# Altium PCB VOU_SOM_CV_V0.0.1.PcbDoc (part 3 of 5) (continued)
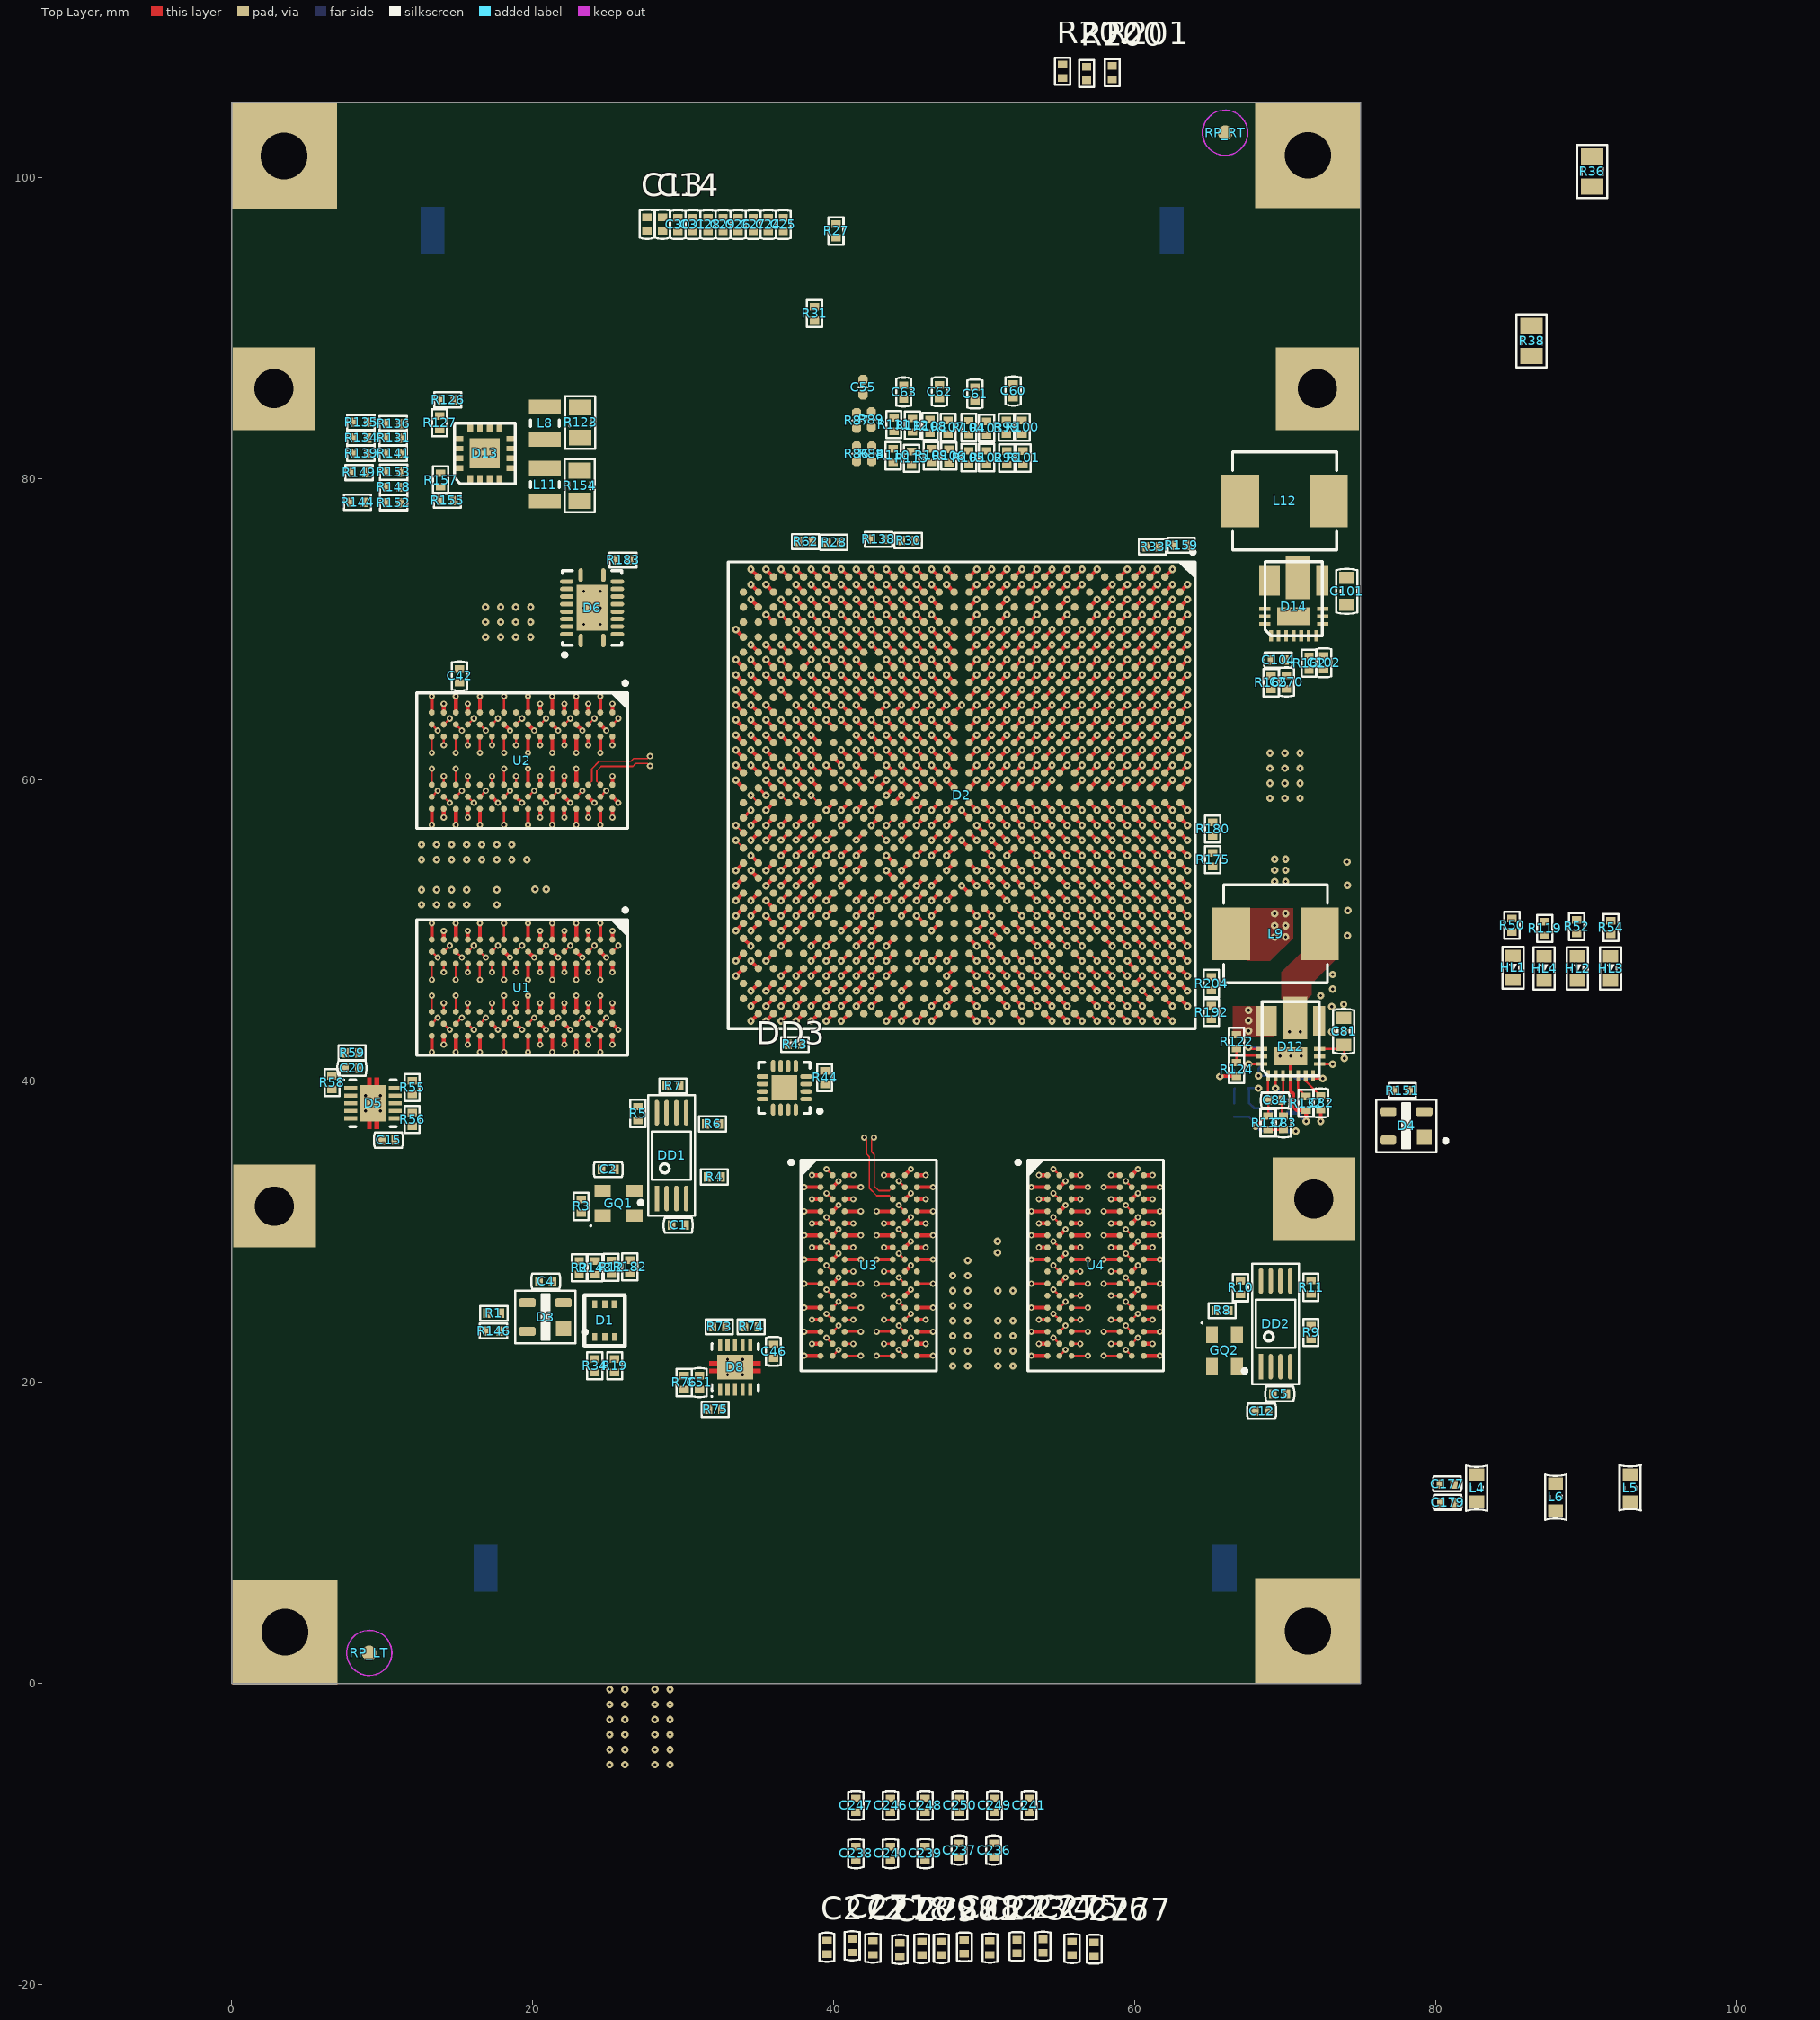
[diagram p0: Top Layer view]
## Nets (pads, with @x,y where several pads share a name; then routed paths per layer and width w, separated by ;. In a path a pad name is that pad's centre, name@x,y a point inside that pad or via, vN(x,y) a via of type N, cw(c..) or ccw(c..) an arc to the next point about the centre after c; other vN are vias at no path point) (continued)
  INT5 w0.11: v2(23.7,47.25) 24.175,47.725 28.95,47.725 30.75,49.525 33.775,49.525 34.025,49.775
FPGA_DDR_D26: D2.AE23 U1.C8 | length 19.6
  Top Layer w0.25: U1.C8@23.7,43.825 v2(24.1,43.425) ; v1(38.5,51) D2.AE23@39,51.5
  INT5 w0.11: v2(24.1,43.425) 24.5,43.825 29.65,43.825 32.275,46.45 35.3,46.45 38.5,49.65 v1(38.5,51)
FPGA_DDR_D27: D2.AF23 U1.C2 | length 15.4
  Top Layer w0.15: U1.C2@23.7,48.625 v2(24.1,49.025)
  Top Layer w0.25: v1(37.5,51) D2.AF23@38,51.5
  INT5 w0.11: v2(24.1,49.025) 24.525,48.6 29.1,48.6 31.025,50.525 37.1,50.525 37.225,50.65
FPGA_DDR_D28: D2.AG25 U1.A7 | length 14
  Top Layer w0.25: U1.A7@25.3,44.625 v2(25.3,45.2) ; v1(36.5,49) D2.AG25@37,49.5
  INT5 w0.11: v2(25.3,45.2) 25.85,45.75 30.1,45.75 31.85,47.5 35.75,47.5 36.5,48.25 36.5,48.55
FPGA_DDR_D29: D2.AE22 U1.A2 | length 14.9
  Top Layer w0.15: U1.A2@25.3,48.625 v2(25.7,49.025)
  Top Layer w0.25: v1(38.5,52) D2.AE22@39,52.5
  INT5 w0.11: v2(25.7,49.025) 28.775,49.025 31.275,51.525 38.05,51.525 38.2,51.675
FPGA_DDR_D30: D2.AK27 U1.B8 | length 10.6
  Top Layer w0.15: U1.B8@24.5,43.825 v2(24.9,44.225)
  Top Layer w0.25: v1(33.5,47) D2.AK27@34,47.5
  INT5 w0.11: v2(24.9,44.225) 29.025,44.225 31.8,47 33.05,47
FPGA_DDR_D31: D2.AF24 U1.A3 | length 14.6
  Top Layer w0.25: v2(25.3,47.25) U1.A3@25.3,47.825 ; v1(37.5,50) D2.AF24@38,50.5
  INT5 w0.11: v2(25.3,47.25) 29.35,47.25 31.175,49.075 33.9,49.075 34.35,49.525 37.025,49.525 v1(37.5,50)
FPGA_DDR_DM0: D2.AH17 U2.E7 | length 16.5
  Top Layer w0.25: U2.E7@22.1,59.7 v2(22.1,60.275) ; v1(35.5,57) D2.AH17@36,57.5
  INT3 w0.11: v2(22.1,60.275) 24.625,60.275 25.225,59.675 26.95,59.675 30.15,56.475 34.975,56.475 v1(35.5,57)
FPGA_DDR_DM1: D2.AG23 U2.D3 | length 22.8
  Top Layer w0.25: v2(22.9,61.825) U2.D3@22.9,62.9 ; v1(36.5,51) D2.AG23@37,51.5
  INT2 w0.11: v2(22.9,61.825) 23.725,61 23.725,58.775 23.125,58.175 23.125,57.475 29.05,51.55 35.95,51.55 v1(36.5,51)
FPGA_DDR_DM2: D2.AK23 U1.E7 | length 15.5
  Top Layer w0.25: U1.E7@22.1,44.625 v2(22.1,45.2) ; v1(33.5,51) D2.AK23@34,51.5
  INT4 w0.11: v2(22.1,45.2) 22.55,44.75 25.9,44.75 32.15,51 v1(33.5,51)
FPGA_DDR_DM3: D2.AJ27 U1.D3 | length 14.7
  Top Layer w0.25: v2(22.9,46.75) U1.D3@22.9,47.825 ; v1(34.5,48) D2.AJ27@35,47.5
  INT5 w0.11: v2(22.9,46.75) 23.825,46.75 24.275,47.2 24.675,47.2 25.2,46.675 29.5,46.675 31.325,48.5 34,48.5 v1(34.5,48)
FPGA_DDR_DQS0_N: D2.W16 U2.G3 | length 32
  Top Layer w0.25: v2(20.5,62.325) U2.G3@20.5,62.9 ; D2.W16@45,58.5 v1(45.5,59)
  INT3 w0.08: v2(20.5,62.325) 20.825,62.325 21.025,62.525 21.025,63.025 20.3,63.75 20.3,64.336 20.659,64.695 28.455,64.695 32.555,60.595 39.066,60.595 41.066,58.595 45.095,58.595 v1(45.5,59)
FPGA_DDR_DQS0_P: D2.V16 U2.F3 | length 32.3
  Top Layer w0.25: v2(21.3,61.825) U2.F3@21.3,62.9 ; v1(45.5,58) D2.V16@46,58.5
  INT3 w0.08: v2(21.3,61.825) 21.225,61.9 21.225,63.136 20.52,63.841 20.52,64.245 20.75,64.475 28.364,64.475 32.464,60.375 38.975,60.375 40.975,58.375 45.125,58.375 v1(45.5,58)
FPGA_DDR_DQS1_N: D2.W17 U2.B7 | length 25
  Top Layer w0.1: U2.B7@24.5,59.7 24.265,59.935 24.265,60.625 24.565,60.925 26.665,60.925 26.85,61.11 27.64,61.11 v2(27.8,60.95)
  Top Layer w0.25: v1(44.5,57) D2.W17@45,57.5
  INT2 w0.08: v2(27.8,60.95) 28.015,61.165 30.349,61.165 33.164,58.35 44.214,58.35 44.89,57.674 44.89,57.39 v1(44.5,57)
FPGA_DDR_DQS1_P: D2.V17 U2.C7 | length 25.9
  Top Layer w0.1: U2.C7@23.7,59.7 23.935,59.935 23.935,60.762 24.428,61.255 26.528,61.255 26.713,61.44 27.64,61.44 v2(27.8,61.6)
  Top Layer w0.25: v1(45.5,57) D2.V17@46,57.5
  INT2 w0.08: v2(27.8,61.6) 28.015,61.385 30.44,61.385 33.255,58.57 44.305,58.57 45.11,57.765 45.11,57.39 v1(45.5,57)
FPGA_DDR_DQS2_N: D2.AA18 U1.G3 | length 34.5
  Top Layer w0.1: D2.AA18@43,56.5 v1(43.5,56)
  Top Layer w0.25: v2(20.5,47.25) U1.G3@20.5,47.825
  INT4 w0.08: v2(20.5,47.25) 20.775,47.25 20.875,47.35 20.875,48.336 21.409,48.87 22.005,48.87 22.33,48.545 22.67,48.545 23.75,49.625 25.489,49.625 28.425,52.561 28.425,53.975 32.05,57.6 44.816,57.6 45.12,57.296 45.12,56.659 44.851,56.39 43.89,56.39 v1(43.5,56)
FPGA_DDR_DQS2_P: D2.Y17 U1.F3 | length 34.2
  Top Layer w0.1: v1(43.5,57) D2.Y17@44,57.5
  Top Layer w0.25: v2(21.3,46.75) U1.F3@21.3,47.825
  INT4 w0.08: v2(21.3,46.75) 21.1,46.95 21.1,48.25 21.5,48.65 21.914,48.65 22.239,48.325 22.761,48.325 23.841,49.405 25.58,49.405 28.645,52.47 28.645,53.884 32.141,57.38 44.725,57.38 44.9,57.205 44.9,56.75 44.76,56.61 43.89,56.61 v1(43.5,57)
FPGA_DDR_DQS3_N: D2.AD19 U1.B7 | length 34.6
  Top Layer w0.25: U1.B7@24.5,44.625 v2(24.5,45.7) ; v1(39.5,55) D2.AD19@40,55.5
  INT5 w0.08: v2(24.5,45.7) 24.25,45.45 24.25,45.3 24.37,45.18 24.37,44.37 23.345,43.345 23.345,42.316 24.511,41.15 28.3,41.15 32.745,45.595 39.684,45.595 39.925,45.836 39.925,50.75 40.175,51 40.175,52.139 39.358,52.956 39.358,54.013 39.75,54.406 39.75,54.75 v1(39.5,55)
FPGA_DDR_DQS3_P: D2.AC20 U1.C7 | length 34.4
  Top Layer w0.25: U1.C7@23.7,44.625 v2(23.7,45.2) ; v1(40.5,54) D2.AC20@41,54.5
  INT5 w0.08: v2(23.7,45.2) 23.975,45.2 24.15,45.025 24.15,44.461 23.125,43.436 23.125,42.225 24.42,40.93 28.391,40.93 32.836,45.375 39.775,45.375 40.145,45.745 40.145,50.659 40.395,50.909 40.395,52.23 39.578,53.047 39.578,53.922 39.906,54.25 40.25,54.25 v1(40.5,54)
FPGA_DDR_ODT: D2.AE16 R42.1 U1.K1 U2.K1 | length 43.7
  Top Layer w0.12: v1(38.5,59) D2.AE16@39,58.5
  Top Layer w0.15: U1.K1@18.1,49.425 v2(18.1,50.5) ; U2.K1@18.1,64.5 v2(18.1,65.575)
  INT2 w0.11: v2(18.1,50.5) 18.45,50.5 19.15,51.2 19.15,55.2 v1(18.625,55.725) 18.625,58.475 19,58.85 19,59.5 18.5,60 18.5,62.125 18.1,62.525 v2(18.1,65.575)
  INT5 w0.11: v1(18.625,55.725) 18.65,55.7 27.4,55.7 33.225,61.525 37.775,61.525 38.05,61.25 38.05,59.45 v1(38.5,59)
FPGA_DDR_RAS#: D2.AH8 R42.3 U1.J3 U2.J3 | length 47.9
  Top Layer w0.15: v2(18.9,47.25) U1.J3@18.9,47.825 ; v2(18.9,62.325) U2.J3@18.9,62.9
  Top Layer w0.25: v1(35.5,67) D2.AH8@36,66.5
  INT2 w0.11: v2(18.9,47.25) 18.9,50.6 19.625,51.325 v1(19.625,54.725) 19.625,55.725 19.175,56.175 19.175,57.625 19.775,58.225 19.775,58.725 19.375,59.125 19.375,60.425 18.9,60.9 v2(18.9,62.325)
  INT4 w0.11: v1(19.625,54.725) 19.625,55.425 18.925,56.125 18.925,59.55 18.5,59.975 18.5,62.025 17.975,62.55 17.975,63.325 19.025,64.375 19.025,65.575 19.625,66.175 30.025,66.175 30.675,65.525 33.7,65.525 34,65.825 34,66.275 34.225,66.5 35,66.5 v1(35.5,67)
FPGA_DDR_RST#: D2.AK21 R49.2 U1.T2 U2.T2 | length 18.4
  Top Layer w0.15: U1.T2@13.3,48.625 v2(13.7,48.225) ; U2.T2@13.3,63.7 v2(13.7,63.3)
  Top Layer w0.25: v1(33.5,53) D2.AK21@34,53.5
  INT3 w0.15: v2(13.7,48.225) 11.875,50.05 11.875,54.975 v1(12.625,55.725) 12.625,59.4 13.7,60.475 v2(13.7,63.3)
FPGA_DDR_WE#: D2.AJ6 R42.5 U1.L3 U2.L3 | length 49.5
  Top Layer w0.15: v2(17.3,47.25) U1.L3@17.3,47.825 ; v2(17.3,62.325) U2.L3@17.3,62.9
  Top Layer w0.25: v1(34.5,69) D2.AJ6@35,68.5
  INT2 w0.11: v2(17.3,47.25) 17.3,49.125 16.9,49.525 16.9,52.675 17.625,53.4 v1(17.625,54.725) 17.625,54.875 17.15,55.35 17.15,56.2 17.325,56.375 17.325,59.6 16.875,60.05 16.875,60.65 17.3,61.075 v2(17.3,62.325)
  INT4 w0.11: v1(17.625,54.725) 17.075,55.275 17.075,58.225 16.1,59.2 16.1,63.25 16.925,64.075 16.925,65.9 18.55,67.525 33.775,67.525 34,67.75 34,68.5 v1(34.5,69)
GND: C1.2 C2.1 C3.1 C4.1 C5.2 C6.1 C6.2 C6.3 C6.4 C7.1 C7.2 C7.3 C7.4 C8.1 C8.2 C8.3 C8.4 C9.1 C10.1 C11.1 C12.1 C15.2 C16.2 C17.2 C18.2 C19.2 C20.2 C34.1 C35.1 C42.1 C43.1 C43.2 C43.3 C43.4 C44.1 C44.2 C44.3 C44.4 C45.1 C45.2 C45.3 C45.4 C46.2 C47.2 C48.2 C49.2 C50.2 C51.2 C52.1 C53.1 C54.1 C55.1 C56.1 C57.1 C60.1 C61.1 C62.1 C63.1 C64.1 C68.2 C69.2 C70.1 C72.2 C73.2 C75.2 C76.2 C77.2 C78.2 C79.2 C80.2 C81.1 C87.2 C88.2 C89.2 C90.2 C91.2 C92.2 C94.2 C95.2 C96.2 C97.2 C98.2 C99.2 C100.2 C101.1 C103.1 C105.1 C106.1 C107.1 C108.1 C109.1 C110.1 C111.1 C112.2 C113.1 C114.1 C115.1 C116.1 C117.1 C118.1 C119.1 C120.1 C121.1 C122.1 C123.1 C124.1 C125.1 C126.1 C127.1 C128.1 C129.1 C130.1 C131.1 C132.1 C133.1 C134.1 C135.1 C136.1 C137.2 C138.1 C139.1 C140.1 C141.1 C142.1 C143.1 C144.1 C145.1 C146.1 C147.1 C148.1 C149.1 C150.1 C151.1 C152.1 C153.1 C154.2 C155.1 C156.1 C157.1 C158.1 C159.1 C160.1 C161.1 C162.2 C163.2 C164.1 C165.1 C166.1 C167.2 C168.2 C169.2 C170.2 C171.2 C172.2 C173.2 C174.2 C175.2 C176.1 C177.1 C178.1 C179.1 C180.2 C181.2 C182.2 C183.2 C184.2 C185.2 C186.2 C187.2 C188.2 C189.2 C190.2 C191.2 C192.2 C193.2 C194.1 C195.1 C196.1 C197.1 C198.1 C199.1 C200.1 C201.1 C202.2 C203.2 C204.2 C205.2 C206.1 C207.1 C208.1 C209.1 C210.1 C211.1 C212.1 C213.1 C214.1 C215.1 C216.1 C217.1 C218.1 C219.1 C220.1 C221.1 C222.1 C223.1 C224.1 C225.1 C226.1 C227.2 C228.2 C229.1 C230.1 C231.1 C232.1 C233.1 C234.1 C235.1 C236.1 C237.1 C238.1 C239.1 C240.1 C241.1 C242.1 C243.1 C244.1 C245.1 C246.2 C247.2 C248.1 C249.1 C250.1 C251.1 C252.1 C253.1 C254.1 C255.1 C256.1 C257.1 C258.1 C259.1 C260.1 C261.1 C262.1 C263.1 C264.1 C265.1 C266.1 C268.2 C271.1 C272.1 C273.2 C274.2 C275.2 C276.2 C277.2 C278.2 C279.2 C280.2 C281.2 C282.2 D1.2 D2.A2 D2.A12 D2.A17 D2.A22 D2.A26 D2.A27 D2.AA3 D2.AA4 D2.AA6 D2.AA9 D2.AA11 D2.AA22 D2.AA29 D2.AB1 D2.AB2 D2.AB5 D2.AB7 D2.AB19 D2.AB29 D2.AC3 D2.AC4 D2.AC6 D2.AC8 D2.AC16 D2.AC24 D2.AC26 D2.AD1 D2.AD2 D2.AD5 D2.AD6 D2.AD23 D2.AE3 D2.AE4 D2.AE10 D2.AE20 D2.AF1 D2.AF2 D2.AF3 D2.AF12 D2.AF15 D2.AF17 D2.AF27 D2.AG9 D2.AG14 D2.AG24 D2.AH1 D2.AH6 D2.AH11 D2.AH21 D2.AH28 D2.AJ3 D2.AJ7 D2.AJ10 D2.AJ18 D2.AJ22 D2.AJ28 D2.AJ30 D2.AK5 D2.AK15 D2.AK25 D2.B9 D2.B10 D2.B14 D2.B19 D2.B24 D2.B29 D2.C1 D2.C6 D2.C16 D2.C21 D2.C26 D2.D3 D2.D13 D2.D23 D2.D26 D2.E10 D2.E22 D2.E25 D2.E30 D2.F2 D2.F5 D2.F7 D2.F17 D2.F27 D2.G3 D2.G4 D2.G5 D2.G24 D2.H1 D2.H2 D2.H5 D2.H11 D2.J3 D2.J4 D2.J6 D2.J8 D2.J18 D2.J22 D2.J28 D2.K1 D2.K2 D2.K5 D2.K10 D2.K15 D2.K20 D2.K25 D2.L3 D2.L4 D2.L6 D2.L11 D2.L13 D2.L15 D2.L17 D2.L19 D2.L22 D2.M1 D2.M2 D2.M5 D2.M7 D2.M8 D2.M10 D2.M12 D2.M14 D2.M16 D2.M18 D2.M20 D2.M29 D2.N3 D2.N4 D2.N6 D2.N8 D2.N9 D2.N11 D2.N13 D2.N15 D2.N17 D2.N19 D2.N26 D2.P1 D2.P2 D2.P5 D2.P7 D2.P10 D2.P12 D2.P14 D2.P16 D2.P18 D2.P20 D2.R3 D2.R4 D2.R6 D2.R8 D2.R9 D2.R11 D2.R13 D2.R15 D2.R17 D2.R30 D2.T1 D2.T2 D2.T5 D2.T7 D2.T10 D2.T12 D2.T14 D2.T15 D2.T16 D2.T18 D2.T20 D2.T27 D2.U3 D2.U4 D2.U6 D2.U9 D2.U11 D2.U13 D2.U15 D2.U17 D2.U22 D2.U24 D2.U29 D2.V1 D2.V2 D2.V5 D2.V7 D2.V10 D2.V12 D2.V14 D2.V19 D2.V21 D2.W3 D2.W4 D2.W6 D2.W9 D2.W11 D2.W13 D2.W18 D2.W28 D2.Y1 D2.Y2 D2.Y5 D2.Y7 D2.Y8 D2.Y10 D2.Y12 D2.Y14 D2.Y15 D2.Y20 D2.Y25 D2.Y27 D2.Y30 D3.1 D4.1 D5.4 D5.8 D5.11 D6.11 D7.4 D8.4 D8.8 D8.11 D9.4 D12.11 D13.4 D13.8 D13.14 D13.17 D14.11 DD1.4 DD2.4 DD3.1 DD3.4 DD3.7 DD3.17 GQ1.2 GQ2.2 R28.1 R30.1 R32.1 R33.1 R47.2 R48.2 R57.2 R59.1 R62.1 R68.2 R69.1 R70.2 R72.1 R76.1 R124.1 R127.1 R138.1 R150.1 R157.1 R159.2 R168.1 R180.2 R190.1 R195.1 R196.1 R197.1 R198.1 R199.1 U1.A9 U1.B1 U1.B3 U1.B9 U1.D1 U1.D8 U1.E1 U1.E2 U1.E8 U1.F9 U1.G1 U1.G8 U1.G9 U1.J2 U1.J8 U1.M1 U1.M9 U1.P1 U1.P9 U1.T1 U1.T9 U2.A9 U2.B1 U2.B3 U2.B9 U2.D1 U2.D8 U2.E1 U2.E2 U2.E8 U2.F9 U2.G1 U2.G8 U2.G9 U2.J2 U2.J8 U2.M1 U2.M9 U2.P1 U2.P9 U2.T1 U2.T9 U3.A9 U3.B1 U3.B3 U3.B9 U3.D1 U3.D8 U3.E1 U3.E2 U3.E8 U3.F9 U3.G1 U3.G8 U3.G9 U3.J2 U3.J8 U3.M1 U3.M9 U3.P1 U3.P9 U3.T1 U3.T9 U4.A9 U4.B1 U4.B3 U4.B9 U4.D1 U4.D8 U4.E1 U4.E2 U4.E8 U4.F9 U4.G1 U4.G8 U4.G9 U4.J2 U4.J8 U4.M1 U4.M9 U4.P1 U4.P9 U4.T1 U4.T9 X1.8 X1.9 X1.12 X1.13 X1.16 X1.17 X1.20 X1.21 X1.24 X1.25 X1.28 X1.29 X1.32 X1.33 X1.36 X1.37 X1.40 X1.41 X1.44 X1.45 X1.48 X1.49 X1.75 X1.76 X1.85 X1.86 X1.95 X1.96 X1.97 X1.101 X1.105 X1.109 X1.113 X1.120 X1.121 X1.146 X1.151 X2.1 X2.4 X2.5 X2.8 X2.9 X2.12 X2.13 X2.16 X2.17 X2.20 X2.21 X2.24 X2.25 X2.28 X2.29 X2.32 X2.33 X2.36 X2.37 X2.40 X2.41 X2.44 X2.86 X2.87 X2.90 X2.91 X2.94 X2.95 X2.98 X2.99 X2.102 X2.103 X2.106 X2.107 X2.110 X2.111 X2.114 X2.115 X2.118 X2.119 X2.122 X2.123 X2.126 X2.127 X2.130 X2.131 X2.134 X2.135 X2.138 X2.139 X2.142 X2.143 X2.146 X2.147 X2.150 X2.151 X2.154 X2.155 X2.158 X2.159 X2.162 X2.163 X2.166 X2.167 | length 221.6
  Top Layer w0.15: U1.J2@18.9,48.625 v2(19.3,49.025) ; U2.J2@18.9,63.7 v2(19.3,64.1) ; U1.E2@22.1,48.625 v2(22.5,49.025) ; U2.E2@22.1,63.7 v2(22.5,64.1) ; U1.D8@22.9,43.825 v2(23.3,44.225) ; U2.D8@22.9,58.9 v2(23.3,59.3) ; v2(39.525,27.775) U3.J2@39.925,27.375 ; v2(39.525,30.975) U3.E2@39.925,30.575 ; v2(44.325,31.775) U3.D8@44.725,31.375 ; v2(54.6,27.775) U4.J2@55,27.375 ; v2(54.6,30.975) U4.E2@55,30.575 ; v2(59.4,31.775) U4.D8@59.8,31.375
  Top Layer w0.25: v2(13.3,41.95) U1.T9@13.3,43.025 ; U1.T1@13.3,49.425 v2(13.3,50.5) ; v2(13.3,57.025) U2.T9@13.3,58.1 ; U2.T1@13.3,64.5 v2(13.3,65.575) ; v2(14.9,41.95) U1.P9@14.9,43.025 ; U1.P1@14.9,49.425 v2(14.9,50.5) ; v2(14.9,57.025) U2.P9@14.9,58.1 ; U2.P1@14.9,64.5 v2(14.9,65.575) ; v2(16.5,41.95) U1.M9@16.5,43.025 ; U1.M1@16.5,49.425 v2(16.5,50.5) ; v2(16.5,57.025) U2.M9@16.5,58.1 ; U2.M1@16.5,64.5 v2(16.5,65.575) ; U1.J8@18.9,43.825 v2(19.3,43.425) ; U2.J8@18.9,58.9 v2(19.3,58.5) ; v2(20.5,42.45) U1.G9@20.5,43.025 ; U1.G8@20.5,43.825 v2(20.9,43.425) ; U1.G1@20.5,49.425 v2(20.5,50) ; v2(20.5,57.525) U2.G9@20.5,58.1 ; U2.G8@20.5,58.9 v2(20.9,58.5) ; U2.G1@20.5,64.5 v2(20.5,65.075) ; v2(21.3,41.95) U1.F9@21.3,43.025 ; v2(21.3,57.025) U2.F9@21.3,58.1 ; U1.E8@22.1,43.825 v2(22.5,43.425) ; U1.E1@22.1,49.425 v2(22.1,50) ; U2.E8@22.1,58.9 v2(22.5,58.5) ; U2.E1@22.1,64.5 v2(22.1,65.075) ; U1.D1@22.9,49.425 v2(22.9,50.5) ; U2.D1@22.9,64.5 v2(22.9,65.575) ; v2(24.5,41.95) U1.B9@24.5,43.025 ; v2(24.5,46.75) U1.B3@24.5,47.825 ; U1.B1@24.5,49.425 v2(24.5,50.5) ; v2(24.5,57.025) U2.B9@24.5,58.1 ; v2(24.5,61.825) U2.B3@24.5,62.9 ; U2.B1@24.5,64.5 v2(24.5,65.575) ; v2(25.3,42.45) U1.A9@25.3,43.025 ; v2(25.3,57.525) U2.A9@25.3,58.1 ; v1(33.5,60) D2.AK15@34,59.5 ; v1(33.5,70) D2.AK5@34,69.5 ; D2.AK25@34,49.5 v1(34.5,49) ; v1(34.5,44) D2.AJ30@35,44.5 ; v1(34.5,46) D2.AJ28@35,46.5 ; v1(34.5,52) D2.AJ22@35,52.5 ; v1(34.5,56) D2.AJ18@35,56.5 ; v1(34.5,65) D2.AJ10@35,64.5 ; v1(34.5,68) D2.AJ7@35,67.5 ; v1(34.5,72) D2.AJ3@35,71.5 ; v1(35.5,46) D2.AH28@36,46.5 ; v1(35.5,53) D2.AH21@36,53.5 ; v1(35.5,64) D2.AH11@36,63.5 ; v1(35.5,69) D2.AH6@36,68.5 ; v1(35.5,74) D2.AH1@36,73.5 ; v1(36.5,50) D2.AG24@37,50.5 ; v1(36.5,61) D2.AG14@37,60.5 ; v1(36.5,66) D2.AG9@37,65.5 ; v1(37.5,47) D2.AF27@38,47.5 ; v1(37.5,57) D2.AF17@38,57.5 ; v1(37.5,60) D2.AF15@38,59.5 ; v1(37.5,63) D2.AF12@38,62.5 ; v1(37.5,72) D2.AF3@38,71.5 ; v1(37.5,73) D2.AF2@38,72.5 ; v1(37.5,74) D2.AF1@38,73.5 ; v2(38.05,21.775) U3.T1@39.125,21.775 ; v2(38.05,23.375) U3.P1@39.125,23.375 ; v2(38.05,24.975) U3.M1@39.125,24.975 ; v2(38.05,31.375) U3.D1@39.125,31.375 ; v2(38.05,32.975) U3.B1@39.125,32.975 ; v1(38.5,54) D2.AE20@39,54.5 ; v1(38.5,65) D2.AE10@39,64.5 ; v1(38.5,71) D2.AE4@39,70.5 ; v1(38.5,72) D2.AE3@39,71.5 ; v2(38.55,28.975) U3.G1@39.125,28.975 ; v2(38.55,30.575) U3.E1@39.125,30.575 ; v1(39.5,51) D2.AD23@40,51.5 ; v1(39.5,69) D2.AD6@40,68.5 ; v1(39.5,70) D2.AD5@40,69.5 ; v1(39.5,73) D2.AD2@40,72.5 ; v1(39.5,74) D2.AD1@40,73.5 ; v1(40.5,48) D2.AC26@41,48.5 ; v1(40.5,50) D2.AC24@41,50.5 ; v1(40.5,58) D2.AC16@41,58.5 ; v1(40.5,67) D2.AC8@41,66.5 ; v1(40.5,69) D2.AC6@41,68.5 ; v1(40.5,71) D2.AC4@41,70.5 ; v1(40.5,72) D2.AC3@41,71.5 ; U3.B3@40.725,32.975 v2(41.8,32.975) ; v1(41.5,45) D2.AB29@42,45.5 ; v1(41.5,55) D2.AB19@42,55.5 ; v1(41.5,68) D2.AB7@42,67.5 ; v1(41.5,70) D2.AB5@42,69.5 ; v1(41.5,73) D2.AB2@42,72.5 ; v1(41.5,74) D2.AB1@42,73.5 ; v1(42.5,45) D2.AA29@43,45.5 ; v1(42.5,52) D2.AA22@43,52.5 ; v1(42.5,64) D2.AA11@43,63.5 ; v1(42.5,66) D2.AA9@43,65.5 ; v1(42.5,69) D2.AA6@43,68.5 ; v1(42.5,71) D2.AA4@43,70.5 ; v1(42.5,72) D2.AA3@43,71.5 ; v1(43.5,44) D2.Y30@44,44.5 ; v1(43.5,47) D2.Y27@44,47.5 ; v1(43.5,49) D2.Y25@44,49.5 ; v1(43.5,55) D2.Y20@44,54.5 ; v1(43.5,59) D2.Y15@44,59.5 ; v1(43.5,61) D2.Y14@44,60.5 ; v1(43.5,63) D2.Y12@44,62.5 ; v1(43.5,67) D2.Y8@44,66.5 ; v1(43.5,68) D2.Y7@44,67.5 ; v1(43.5,70) D2.Y5@44,69.5 ; v1(43.5,73) D2.Y2@44,72.5 ; v1(43.5,74) D2.Y1@44,73.5 ; D2.Y10@44,64.5 v1(44.5,65) ; v1(44.5,46) D2.W28@45,46.5 ; v1(44.5,56) D2.W18@45,56.5 ; v1(44.5,62) D2.W13@45,61.5 ; v1(44.5,64) D2.W11@45,63.5 ; v1(44.5,66) D2.W9@45,65.5 ; v1(44.5,69) D2.W6@45,68.5 ; v1(44.5,71) D2.W4@45,70.5 ; v1(44.5,72) D2.W3@45,71.5 ; U3.J8@44.725,27.375 v2(45.125,27.775) ; U3.G8@44.725,28.975 v2(45.125,29.375) ; U3.E8@44.725,30.575 v2(45.125,30.975) ; v1(45.5,53) D2.V21@46,53.5 ; v1(45.5,55) D2.V19@46,55.5 ; v1(45.5,61) D2.V14@46,60.5 ; v1(45.5,63) D2.V12@46,62.5 ; v1(45.5,68) D2.V7@46,67.5 ; v1(45.5,70) D2.V5@46,69.5 ; v1(45.5,73) D2.V2@46,72.5 ; v1(45.5,74) D2.V1@46,73.5 ; U3.T9@45.525,21.775 v2(46.6,21.775) ; U3.P9@45.525,23.375 v2(46.6,23.375) ; U3.M9@45.525,24.975 v2(46.6,24.975) ; U3.G9@45.525,28.975 v2(46.1,28.975) ; U3.F9@45.525,29.775 v2(46.6,29.775) ; U3.B9@45.525,32.975 v2(46.6,32.975) ; U3.A9@45.525,33.775 v2(46.1,33.775) ; D2.V10@46,64.5 v1(46.5,65) ; v1(46.5,45) D2.U29@47,45.5 ; v1(46.5,50) D2.U24@47,50.5 ; v1(46.5,52) D2.U22@47,52.5 ; v1(46.5,57) D2.U17@47,57.5 ; v1(46.5,60) D2.U15@47,59.5 ; v1(46.5,62) D2.U13@47,61.5 ; v1(46.5,64) D2.U11@47,63.5 ; v1(46.5,66) D2.U9@47,65.5 ; v1(46.5,69) D2.U6@47,68.5 ; v1(46.5,71) D2.U4@47,70.5 ; v1(46.5,72) D2.U3@47,71.5 ; v1(47.5,47) D2.T27@48,47.5 ; v1(47.5,54) D2.T20@48,54.5 ; v1(47.5,56) D2.T18@48,56.5 ; v1(47.5,58) D2.T16@48,58.5 ; v1(47.5,60) D2.T15@48,59.5 ; v1(47.5,61) D2.T14@48,60.5 ; v1(47.5,63) D2.T12@48,62.5 ; v1(47.5,68) D2.T7@48,67.5 ; v1(47.5,70) D2.T5@48,69.5 ; v1(47.5,73) D2.T2@48,72.5 ; v1(47.5,74) D2.T1@48,73.5 ; D2.T10@48,64.5 v1(48.5,65) ; v1(48.5,58) D2.R17@49,57.5 ; D2.R30@49,44.5 v1(49.5,44) ; D2.R15@49,59.5 v1(49.5,60) ; D2.R13@49,61.5 v1(49.5,62) ; D2.R11@49,63.5 v1(49.5,64) ; D2.R9@49,65.5 v1(49.5,66) ; D2.R8@49,66.5 v1(49.5,67) ; D2.R6@49,68.5 v1(49.5,69) ; D2.R4@49,70.5 v1(49.5,71) ; D2.R3@49,71.5 v1(49.5,72) ; v1(49.5,57) D2.P18@50,56.5 ; D2.P20@50,54.5 v1(50.5,54) ; D2.P16@50,58.5 v1(50.5,58) ; D2.P14@50,60.5 v1(50.5,61) ; D2.P12@50,62.5 v1(50.5,63) ; D2.P10@50,64.5 v1(50.5,65) ; D2.P7@50,67.5 v1(50.5,68) ; D2.P5@50,69.5 v1(50.5,70) ; D2.P2@50,72.5 v1(50.5,73) ; D2.P1@50,73.5 v1(50.5,74) ; v1(50.5,56) D2.N19@51,55.5 ; D2.N26@51,48.5 v1(51.5,48) ; D2.N17@51,57.5 v1(51.5,57) ; D2.N15@51,59.5 v1(51.5,60) ; D2.N13@51,61.5 v1(51.5,62) ; D2.N11@51,63.5 v1(51.5,64) ; D2.N9@51,65.5 v1(51.5,66) ; D2.N8@51,66.5 v1(51.5,67) ; D2.N6@51,68.5 v1(51.5,69) ; D2.N4@51,70.5 v1(51.5,71) ; D2.N3@51,71.5 v1(51.5,72) ; D2.M29@52,45.5 v1(52.5,45) ; D2.M20@52,54.5 v1(52.5,54) ; D2.M18@52,56.5 v1(52.5,56) ; D2.M16@52,58.5 v1(52.5,58) ; D2.M14@52,60.5 v1(52.5,61) ; D2.M12@52,62.5 v1(52.5,63) ; D2.M10@52,64.5 v1(52.5,65) ; D2.M8@52,66.5 v1(52.5,67) ; D2.M7@52,67.5 v1(52.5,68) ; D2.M5@52,69.5 v1(52.5,70) ; D2.M2@52,72.5 v1(52.5,73) ; D2.M1@52,73.5 v1(52.5,74) ; D2.L22@53,52.5 v1(53.5,52) ; D2.L19@53,55.5 v1(53.5,55) ; D2.L17@53,57.5 v1(53.5,57) ; D2.L15@53,59.5 v1(53.5,60) ; D2.L13@53,61.5 v1(53.5,62) ; D2.L11@53,63.5 v1(53.5,64) ; D2.L6@53,68.5 v1(53.5,69) ; D2.L4@53,70.5 v1(53.5,71) ; D2.L3@53,71.5 v1(53.5,72) ; v2(53.125,21.775) U4.T1@54.2,21.775 ; v2(53.125,23.375) U4.P1@54.2,23.375 ; v2(53.125,24.975) U4.M1@54.2,24.975 ; v2(53.125,31.375) U4.D1@54.2,31.375 ; v2(53.125,32.975) U4.B1@54.2,32.975 ; v2(53.625,28.975) U4.G1@54.2,28.975 ; v2(53.625,30.575) U4.E1@54.2,30.575 ; D2.K25@54,49.5 v1(54.5,49) ; D2.K20@54,54.5 v1(54.5,54) ; D2.K15@54,59.5 v1(54.5,60) ; D2.K10@54,64.5 v1(54.5,65) ; D2.K5@54,69.5 v1(54.5,70) ; D2.K2@54,72.5 v1(54.5,73) ; D2.K1@54,73.5 v1(54.5,74) ; D2.J28@55,46.5 v1(55.5,46) ; D2.J22@55,52.5 v1(55.5,52) ; D2.J18@55,56.5 v1(55.5,56) ; D2.J8@55,66.5 v1(55.5,67) ; D2.J6@55,68.5 v1(55.5,69) ; D2.J4@55,70.5 v1(55.5,71) ; D2.J3@55,71.5 v1(55.5,72) ; U4.B3@55.8,32.975 v2(56.875,32.975) ; D2.H11@56,63.5 v1(56.5,64) ; D2.H5@56,69.5 v1(56.5,70) ; D2.H2@56,72.5 v1(56.5,73) ; D2.H1@56,73.5 v1(56.5,74) ; D2.G24@57,50.5 v1(57.5,50) ; D2.G5@57,69.5 v1(57.5,70) ; D2.G4@57,70.5 v1(57.5,71) ; D2.G3@57,71.5 v1(57.5,72) ; D2.F27@58,47.5 v1(58.5,47) ; D2.F17@58,57.5 v1(58.5,57) ; D2.F7@58,67.5 v1(58.5,68) ; D2.F5@58,69.5 v1(58.5,70) ; D2.F2@58,72.5 v1(58.5,73) ; D2.E30@59,44.5 v1(59.5,44) ; D2.E25@59,49.5 v1(59.5,49) ; D2.E22@59,52.5 v1(59.5,52) ; D2.E10@59,64.5 v1(59.5,65) ; U4.J8@59.8,27.375 v2(60.2,27.775) ; U4.G8@59.8,28.975 v2(60.2,29.375) ; U4.E8@59.8,30.575 v2(60.2,30.975) ; D2.D26@60,48.5 v1(60.5,48) ; D2.D23@60,51.5 v1(60.5,51) ; D2.D13@60,61.5 v1(60.5,62) ; D2.D3@60,71.5 v1(60.5,72) ; U4.T9@60.6,21.775 v2(61.675,21.775) ; U4.P9@60.6,23.375 v2(61.675,23.375) ; U4.M9@60.6,24.975 v2(61.675,24.975) ; U4.G9@60.6,28.975 v2(61.175,28.975) ; U4.F9@60.6,29.775 v2(61.675,29.775) ; U4.B9@60.6,32.975 v2(61.675,32.975) ; U4.A9@60.6,33.775 v2(61.175,33.775) ; D2.C26@61,48.5 v1(61.5,48) ; D2.C21@61,53.5 v1(61.5,53) ; D2.C16@61,58.5 v1(61.5,58) ; D2.C6@61,68.5 v1(61.5,69) ; D2.C1@61,73.5 v1(61.5,74) ; D2.B29@62,45.5 v1(62.5,45) ; D2.B24@62,50.5 v1(62.5,50) ; D2.B19@62,55.5 v1(62.5,55) ; D2.B14@62,60.5 v1(62.5,61) ; D2.B10@62,64.5 v1(62.5,65) ; D2.B9@62,65.5 v1(62.5,66) ; D2.A27@63,47.5 v1(63.5,47) ; D2.A26@63,48.5 v1(63.5,48) ; D2.A22@63,52.5 v1(63.5,52) ; D2.A17@63,57.5 v1(63.5,57) ; D2.A12@63,62.5 v1(63.5,63) ; D2.A2@63,72.5 v1(63.5,73) ; v1@65.775,40.325 v1(65.65,40.325) 65.675,40.35 R124.1@66.75,40.35
  Bottom Layer w0.25: v1(65.65,40.325) 66.15,40.325 C69.2@66.55,40.725
  other v1: 32.95,20.525 33.95,20.525 32.95,21.525 33.95,21.525 8.9,38.05 9.9,38.05 8.9,39.05 9.9,39.05 73.075,43.3 73.9,43.375 73.075,44.975 73.875,45.125 72.35,45.7 73.15,46.125 73.15,47.1 74.125,49.675 74.15,51.35 74.125,53.025 74.1,54.575
GND_A: C82.1 D12.4 D12.17 R132.2 R140.1 R142.1 R150.2 | length 8.1
  Top Layer w0.25: v1(70.35,41.675) D12.4@70.35,40.375 70.35,39.35 70.525,39.175 70.525,38.325 70.75,38.1 R132.2@71.375,38.1 v1(71.375,37.35) ; v1(72.35,37.35) C82.1@72.35,38.125
  Bottom Layer w0.25: R140.1@69.95,36.7 v1(70.7,36.7) ; R142.1@70.15,37.925 70.8,37.925 v1(71.375,37.35)
  other v1: 69.65,41.675 71.05,41.675
GND_B: C102.1 D14.4 D14.17 R162.2 R166.1 R167.1 R168.2
GXB_REF_C_CKO_N: C14.1 D2.W7 | length 0.7
  Top Layer w0.25: v1(44.5,68) D2.W7@45,67.5
GXB_REF_C_CKO_P: C13.1 D2.W8 | length 0.7
  Top Layer w0.25: v1(44.5,67) D2.W8@45,66.5
GXB_REF_CKI_N: D2.T8 X2.120 | length 39.7
  Top Layer w0.25: v1(47.5,67) D2.T8@48,66.5
  INT1 w0.08: 28.75,91.775 28.75,82.975 37.075,74.65 37.075,66.925 37.39,66.61 47.11,66.61 v1(47.5,67)
GXB_REF_CKI_P: D2.T9 X2.124 | length 40.1
  Top Layer w0.25: v1(47.5,66) D2.T9@48,65.5
  INT1 w0.08: 28.53,91.775 28.53,82.884 36.855,74.559 36.855,66.834 37.299,66.39 47.11,66.39 v1(47.5,66)
GXB_REF_CKO_N: C14.2 X2.121
GXB_REF_CKO_P: C13.2 X2.125
GXB_RXA0_N: D2.L1 X2.88 | length 26.6
  Top Layer w0.25: D2.L1@53,73.5 v1(53.5,74)
  INT2 w0.08: 36.75,91.4 36.75,90.27 38.775,88.245 39.871,88.245 53.1,75.016 53.1,73.735 53.225,73.61 53.41,73.61 53.5,73.7 v1(53.5,74)
GXB_RXA0_P: D2.L2 X2.92 | length 26.9
  Top Layer w0.25: D2.L2@53,72.5 v1(53.5,73)
  INT2 w0.08: 36.53,91.4 36.53,90.179 38.684,88.025 39.78,88.025 52.88,74.925 52.88,73.644 53.134,73.39 53.385,73.39 53.5,73.275 v1(53.5,73)
GXB_RXA1_N: D2.N1 X2.96 | length 26.8
  Top Layer w0.25: D2.N1@51,73.5 v1(51.5,74)
  INT2 w0.08: 34.675,91.375 34.675,90.445 38,87.12 39.396,87.12 51.1,75.416 51.1,73.735 51.225,73.61 51.41,73.61 51.5,73.7 v1(51.5,74)
GXB_RXA1_P: D2.N2 X2.100 | length 27.1
  Top Layer w0.25: D2.N2@51,72.5 v1(51.5,73)
  INT2 w0.08: 34.455,91.375 34.455,90.354 37.909,86.9 39.305,86.9 50.88,75.325 50.88,73.644 51.134,73.39 51.385,73.39 51.5,73.275 v1(51.5,73)
GXB_RXA2_N: D2.R1 X2.104 | length 27
  Top Layer w0.25: D2.R1@49,73.5 v1(49.5,74)
  INT2 w0.08: 32.75,91.35 32.75,89.845 36.775,85.82 38.746,85.82 49.1,75.466 49.1,73.735 49.225,73.61 49.41,73.61 49.5,73.7 v1(49.5,74)
GXB_RXA2_P: D2.R2 X2.108 | length 27.4
  Top Layer w0.25: D2.R2@49,72.5 v1(49.5,73)
  INT2 w0.08: 32.53,91.35 32.53,89.754 36.684,85.6 38.655,85.6 48.88,75.375 48.88,73.644 49.134,73.39 49.385,73.39 49.5,73.275 v1(49.5,73)
GXB_RXA3_N: D2.U1 X2.112 | length 27.1
  Top Layer w0.25: v1(46.5,74) D2.U1@47,73.5
  INT2 w0.08: 30.825,91.7 30.825,88.645 35.125,84.345 37.43,84.345 46.1,75.675 46.1,73.735 46.225,73.61 46.41,73.61 46.5,73.7 v1(46.5,74)
GXB_RXA3_P: D2.U2 X2.116 | length 27.5
  Top Layer w0.25: v1(46.5,73) D2.U2@47,72.5
  INT2 w0.08: 30.605,91.7 30.605,88.554 35.034,84.125 37.339,84.125 45.88,75.584 45.88,73.644 46.134,73.39 46.385,73.39 46.5,73.275 v1(46.5,73)
GXB_TXA0_N: C25.2 X2.89
GXB_TXA0_P: C24.2 X2.93
GXB_TXA1_N: C27.2 X2.97
GXB_TXA1_P: C26.2 X2.101